# Altium PCB Pannel3.5x2 Ver0.2.PcbDoc (part 1 of 4)
Units mil, origin at the board's own origin, x right, y up, seen from the top; angles counter-clockwise.
Board outline 4133.86 x 2283.46 mil, 4 copper layers (SIGNAL, GROUND, PWR, SIGNAL (Bottom)), stack 61.627 mil thick; 222 components, 165 nets, 808 pads, 673 vias.
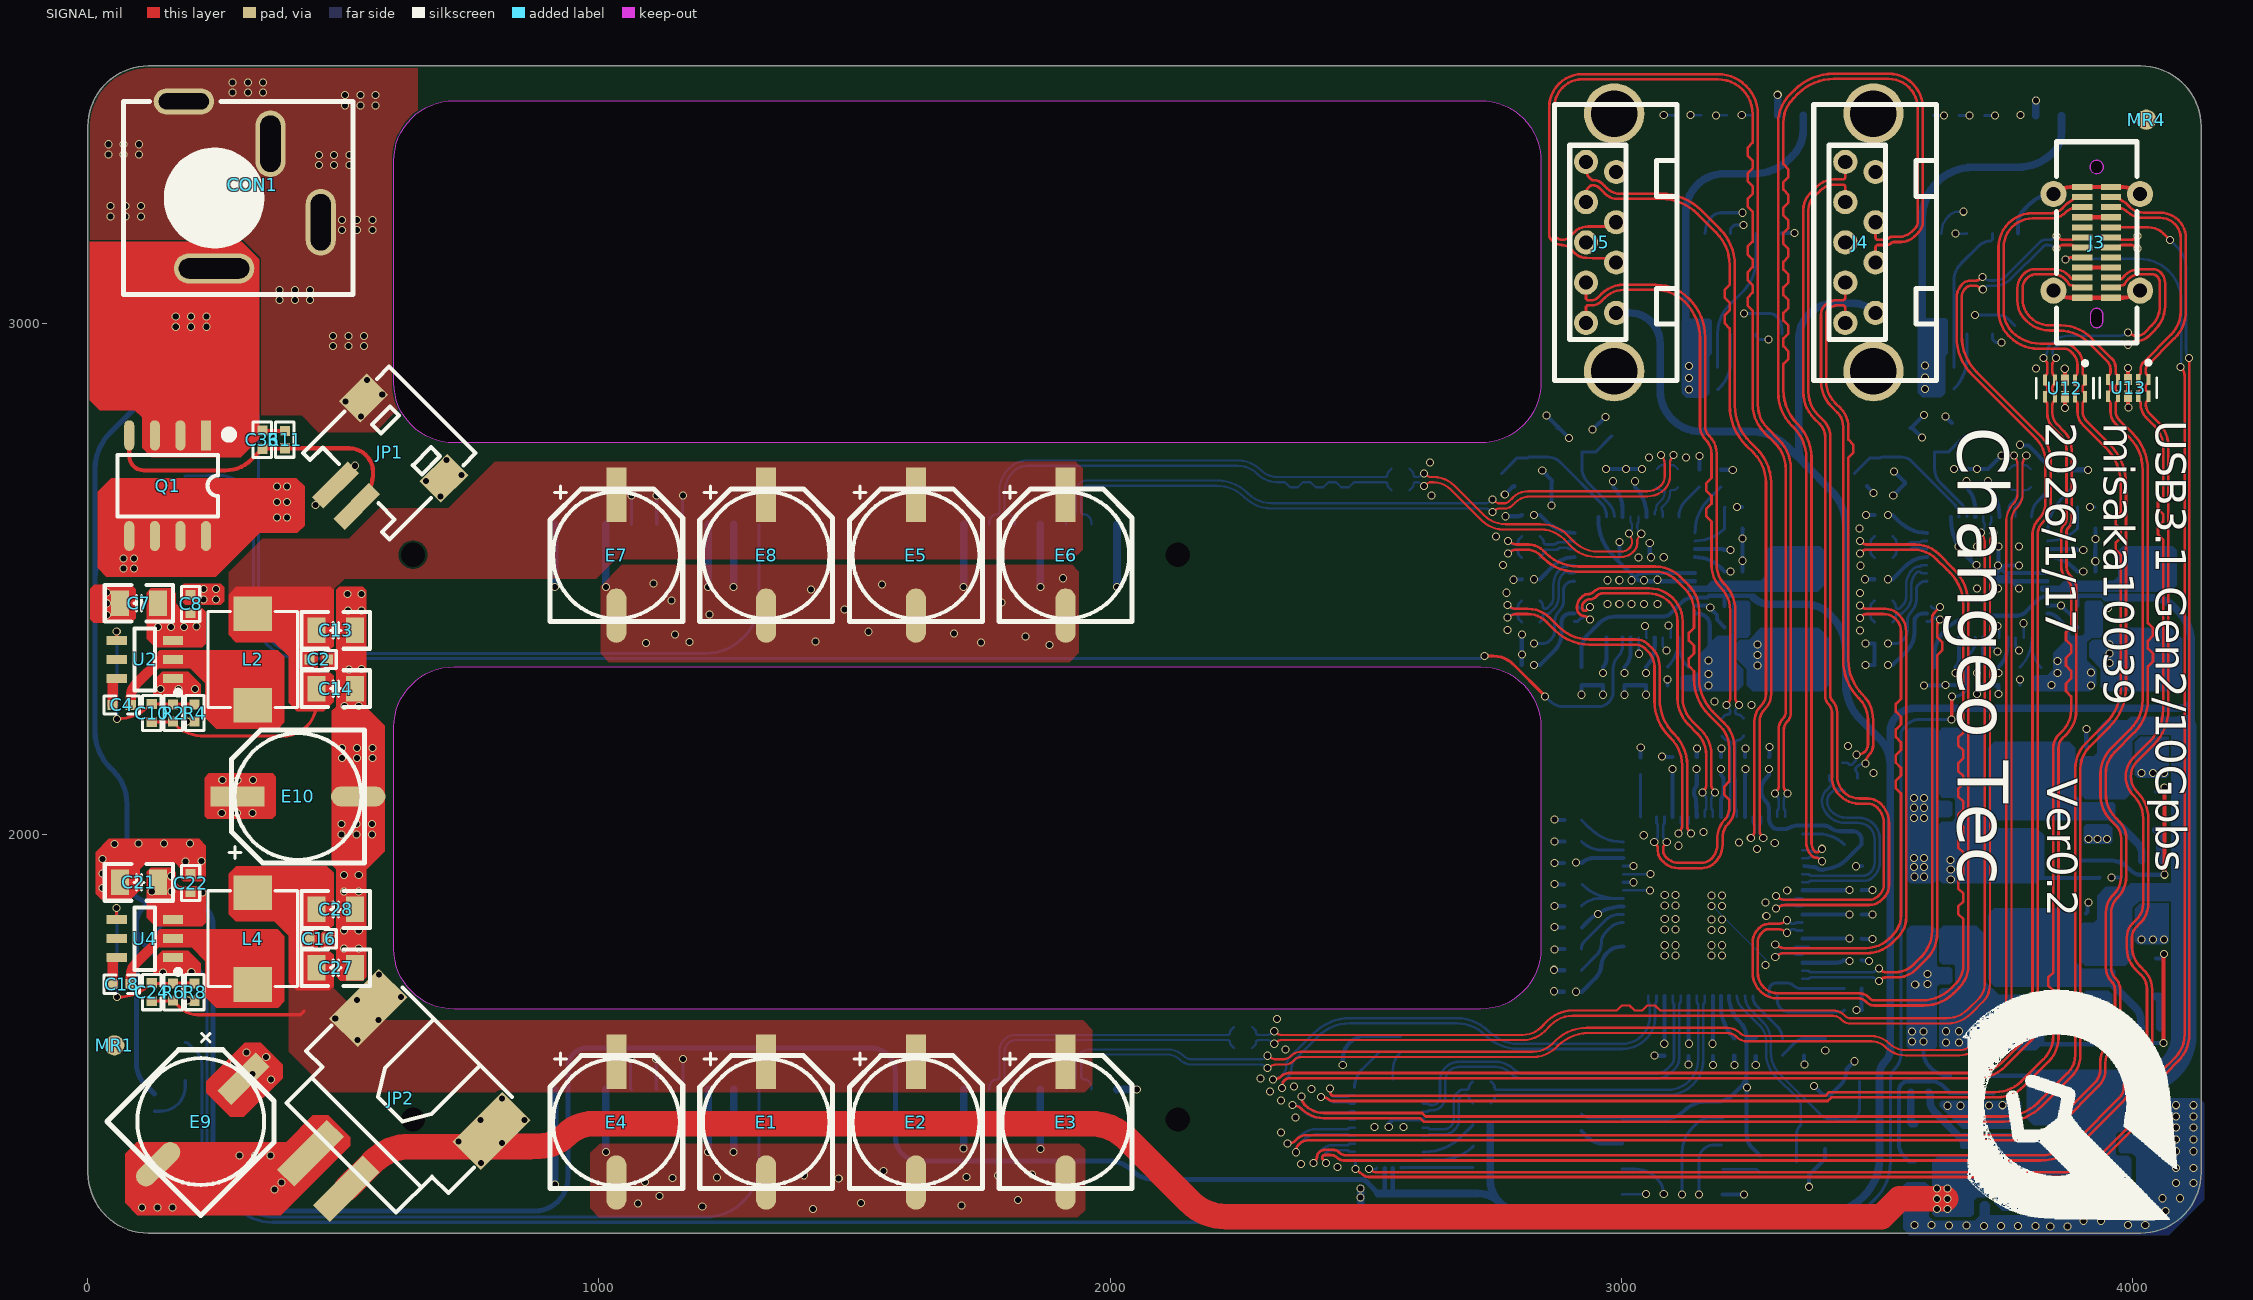
[diagram p0: SIGNAL view]
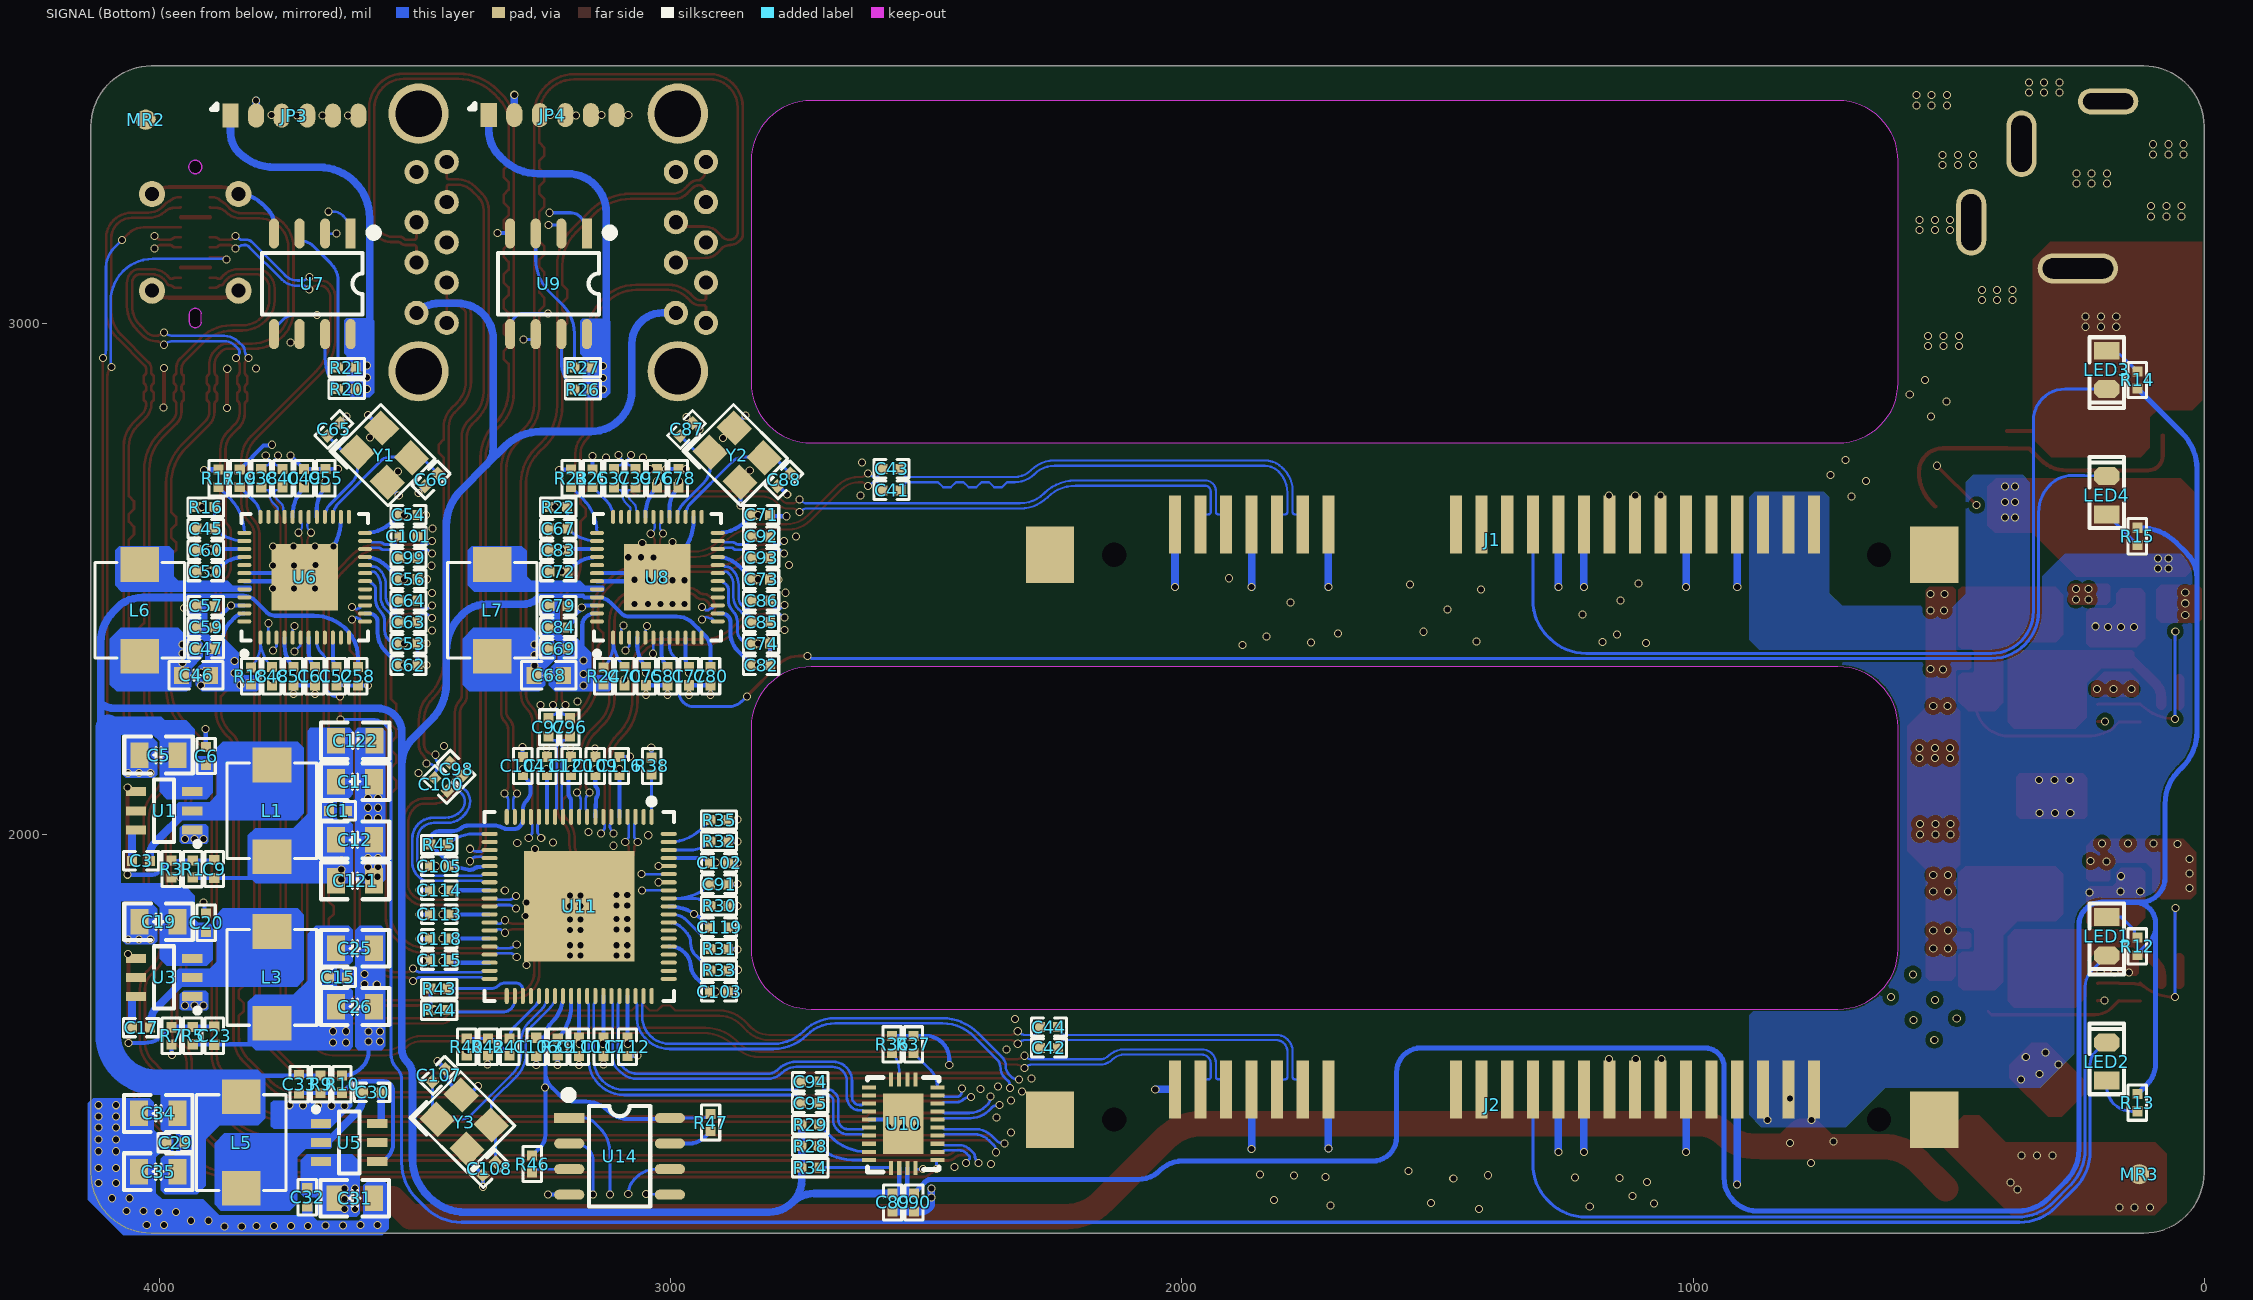
[diagram p1: SIGNAL (Bottom) view, seen from below]
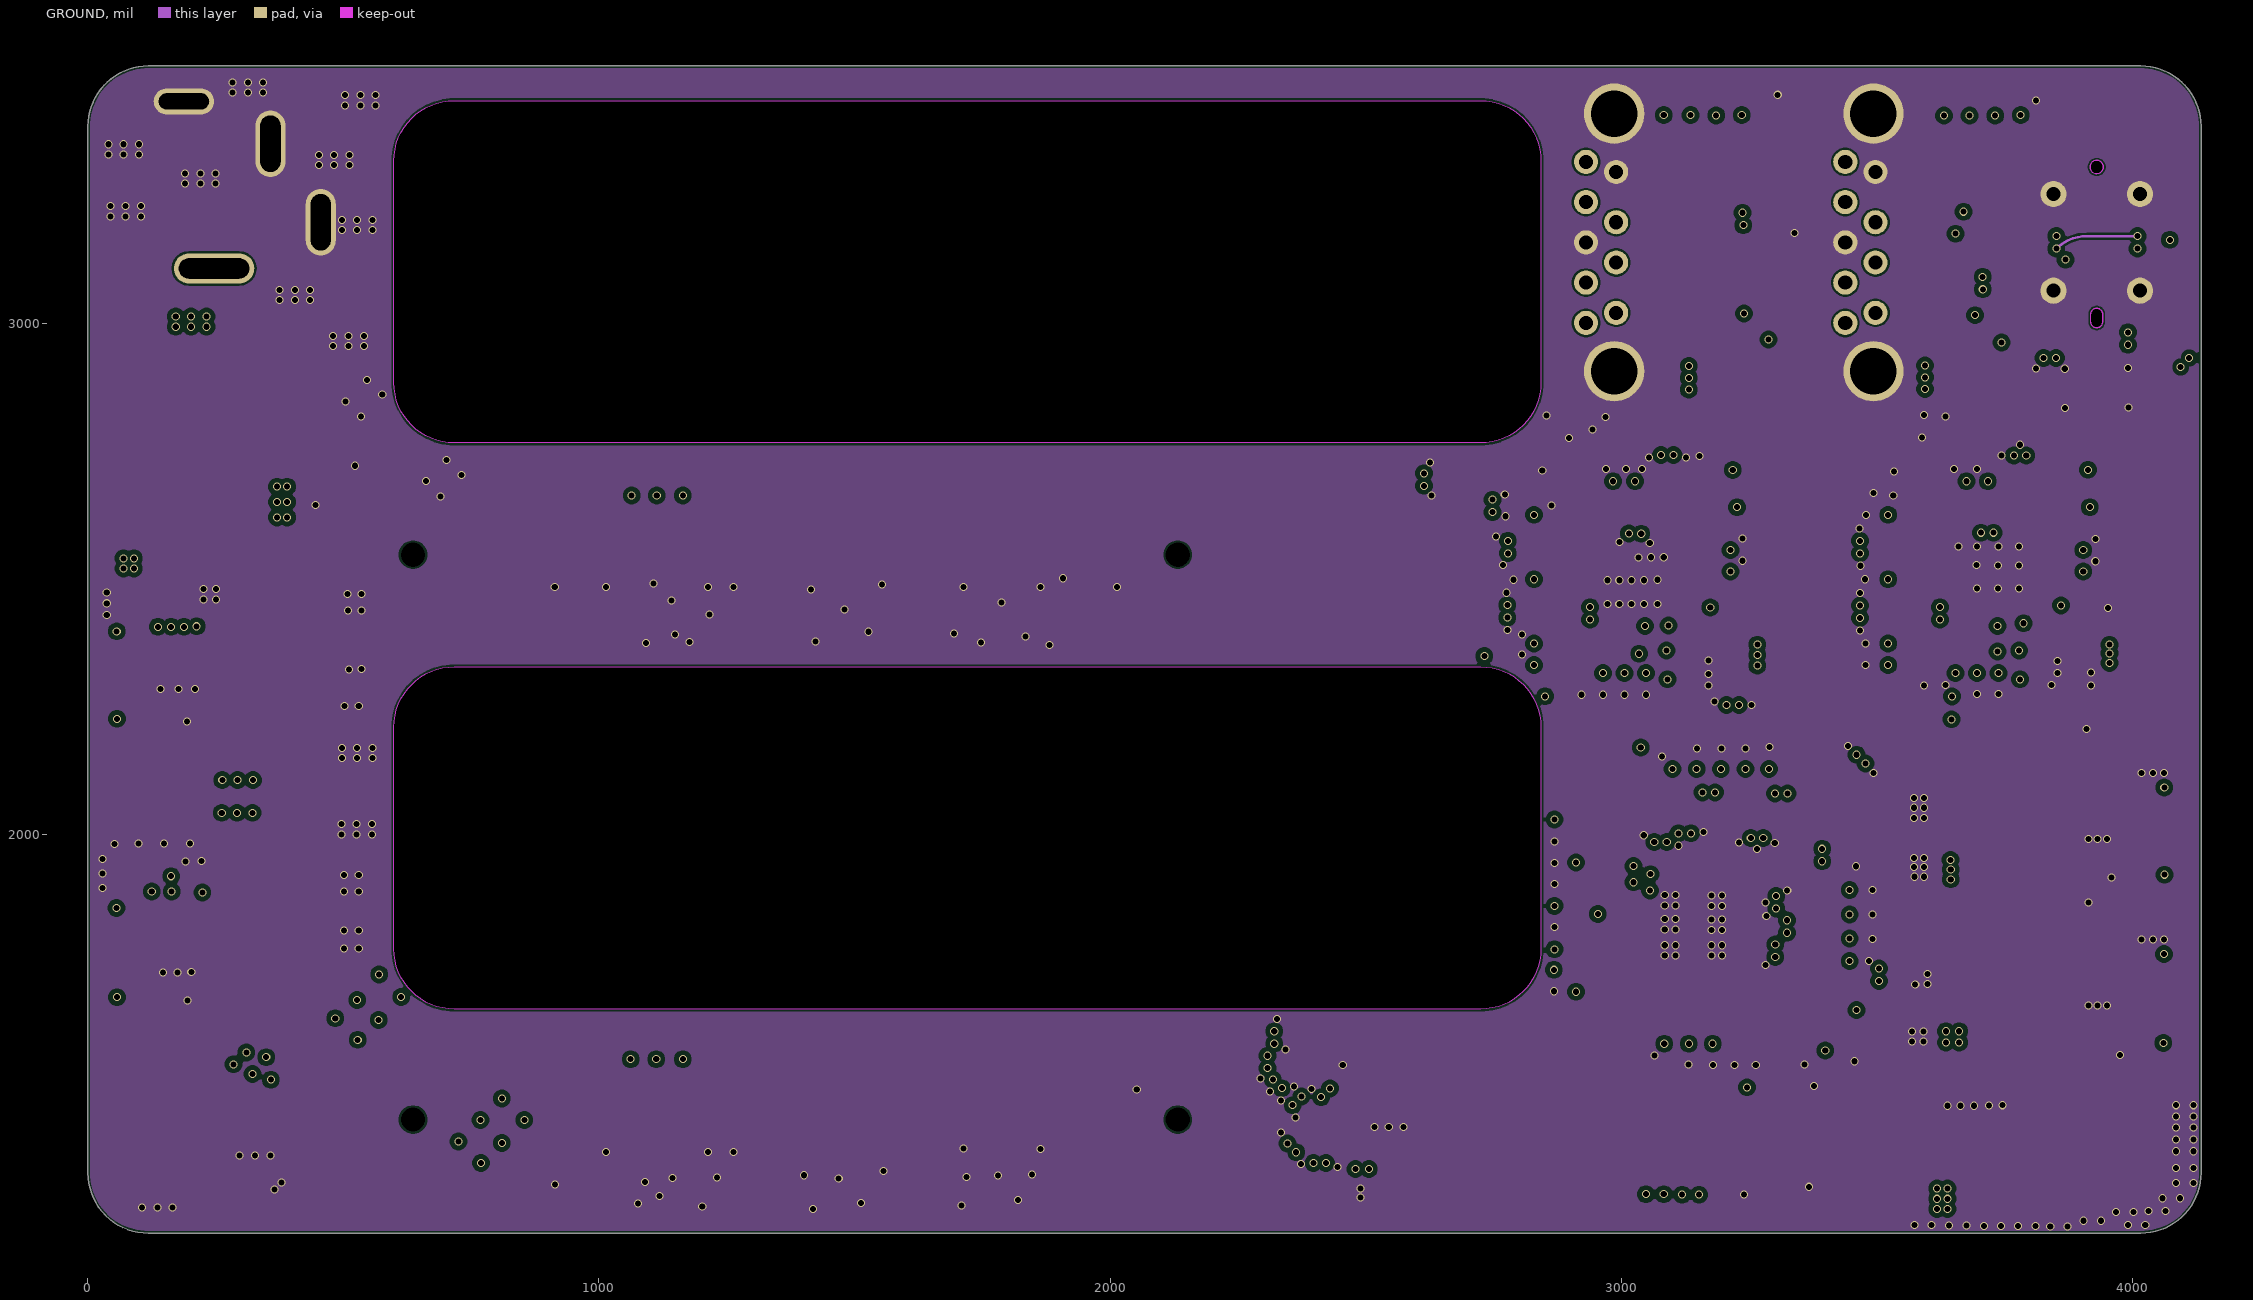
[diagram p2: GROUND]
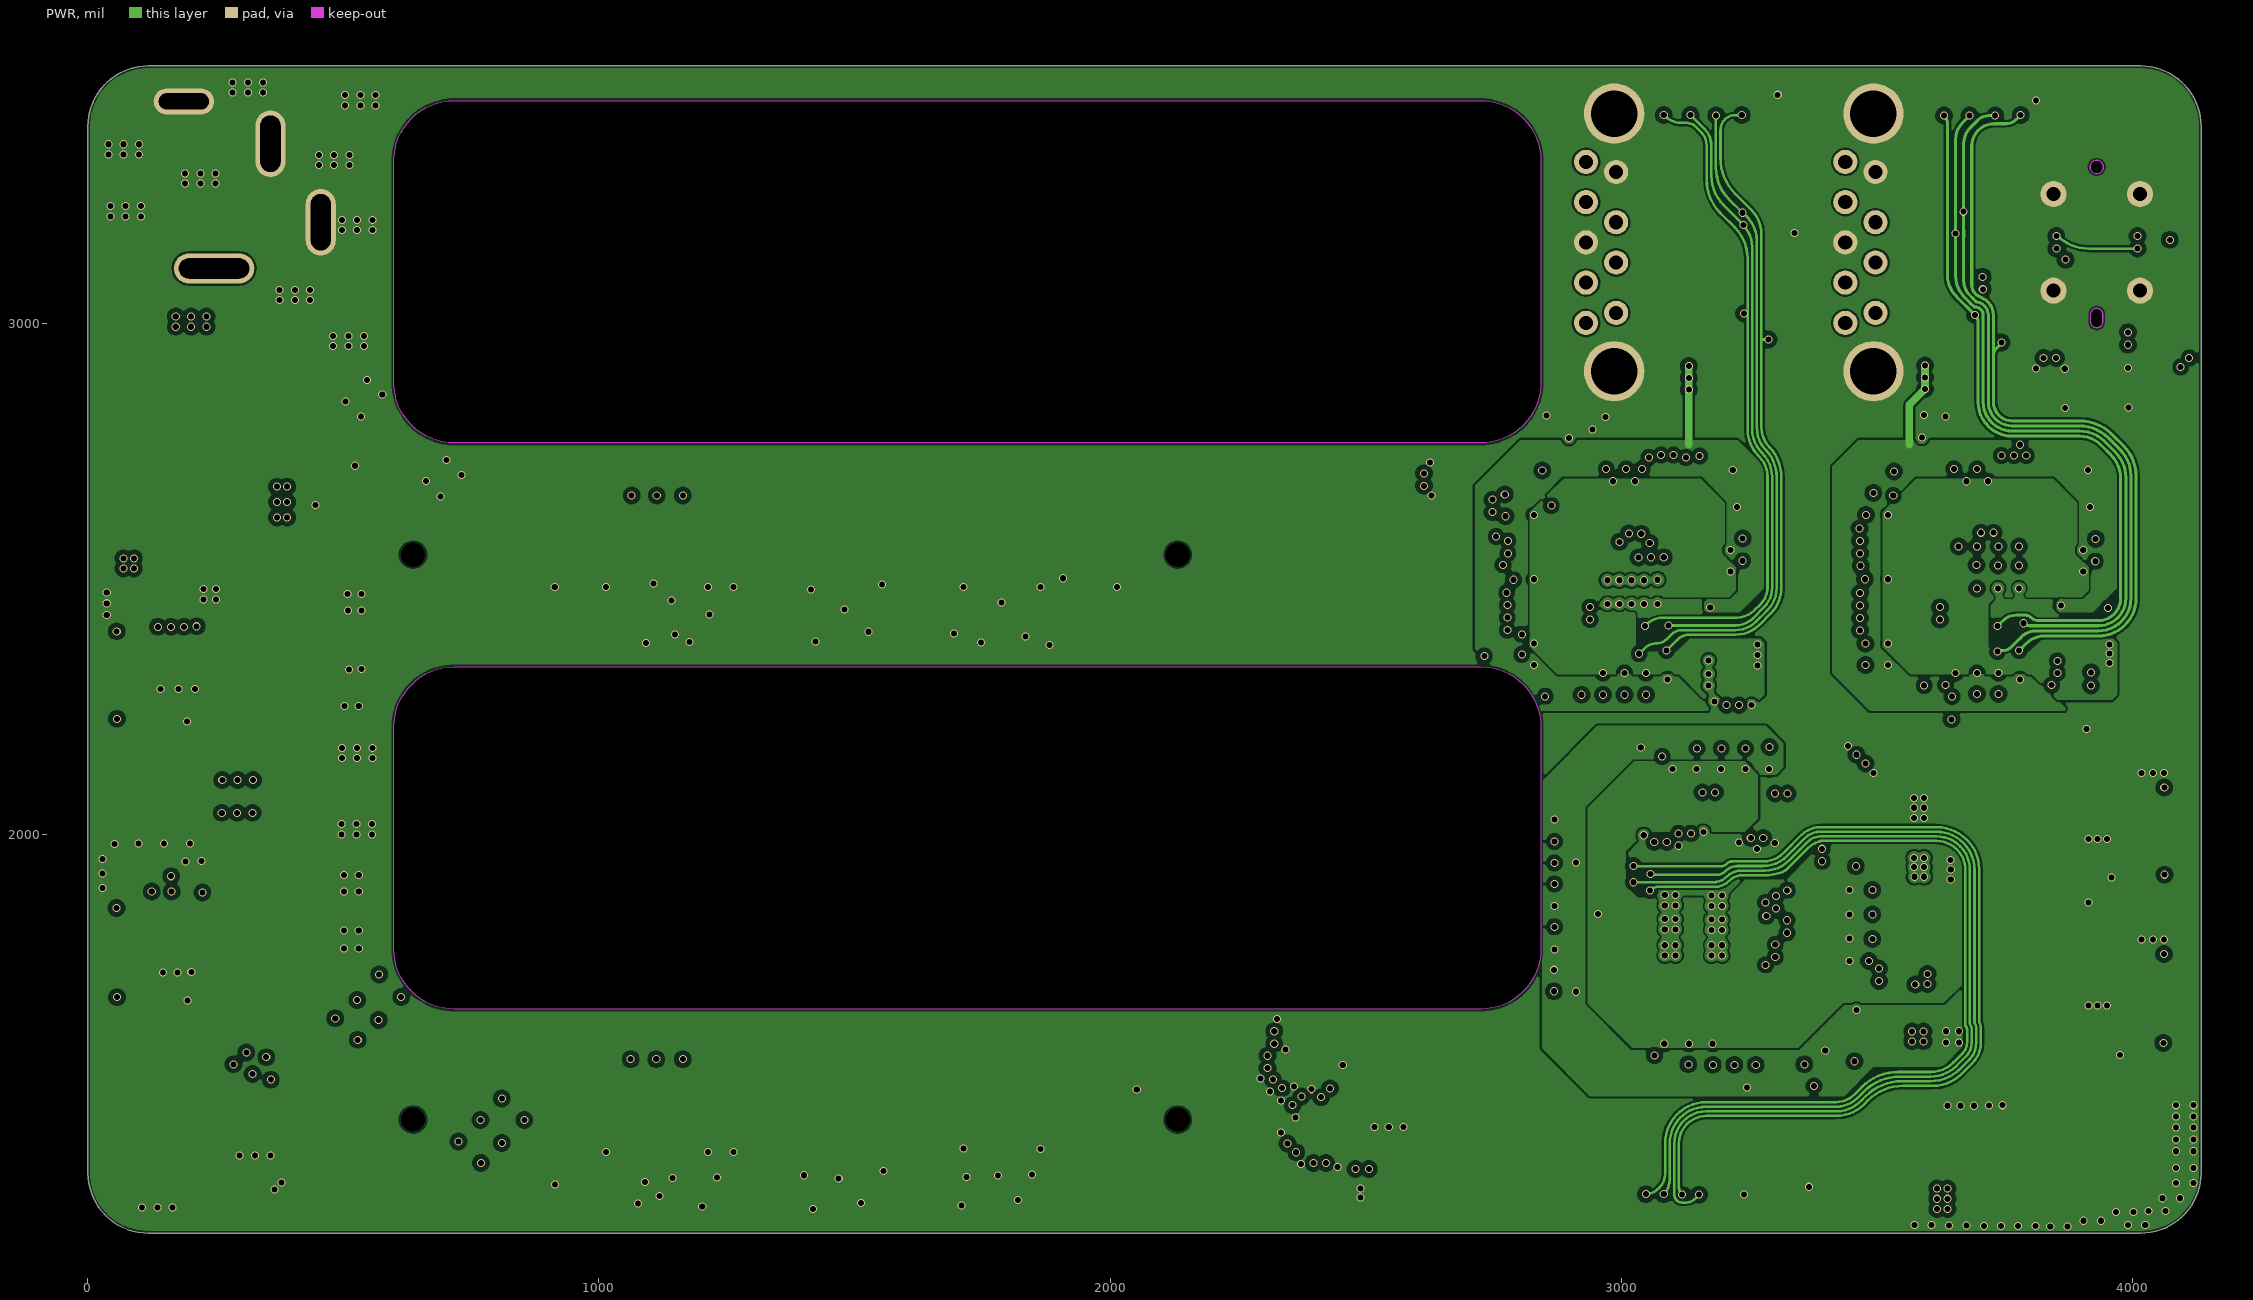
[diagram p3: PWR]
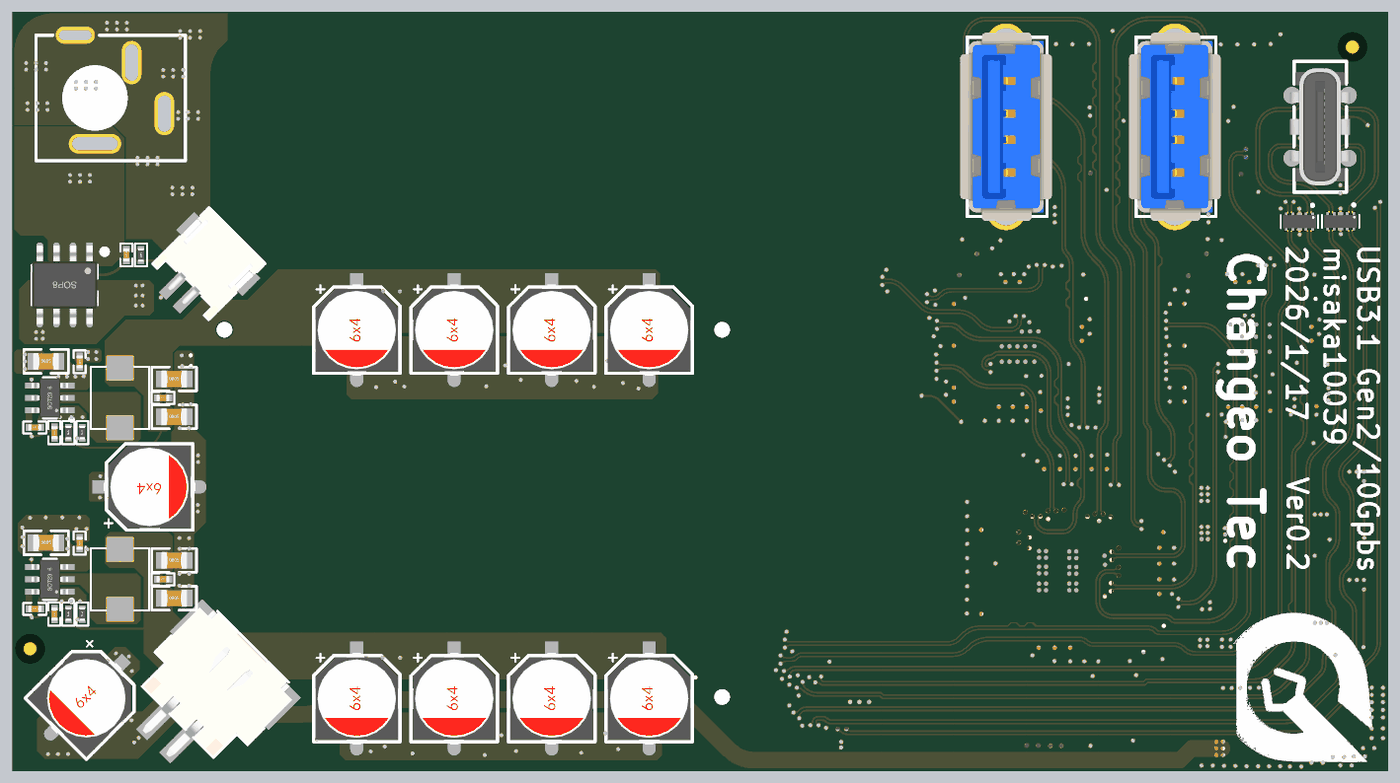
[diagram p7: 3D render of the assembled board from above, using the file's embedded part models]
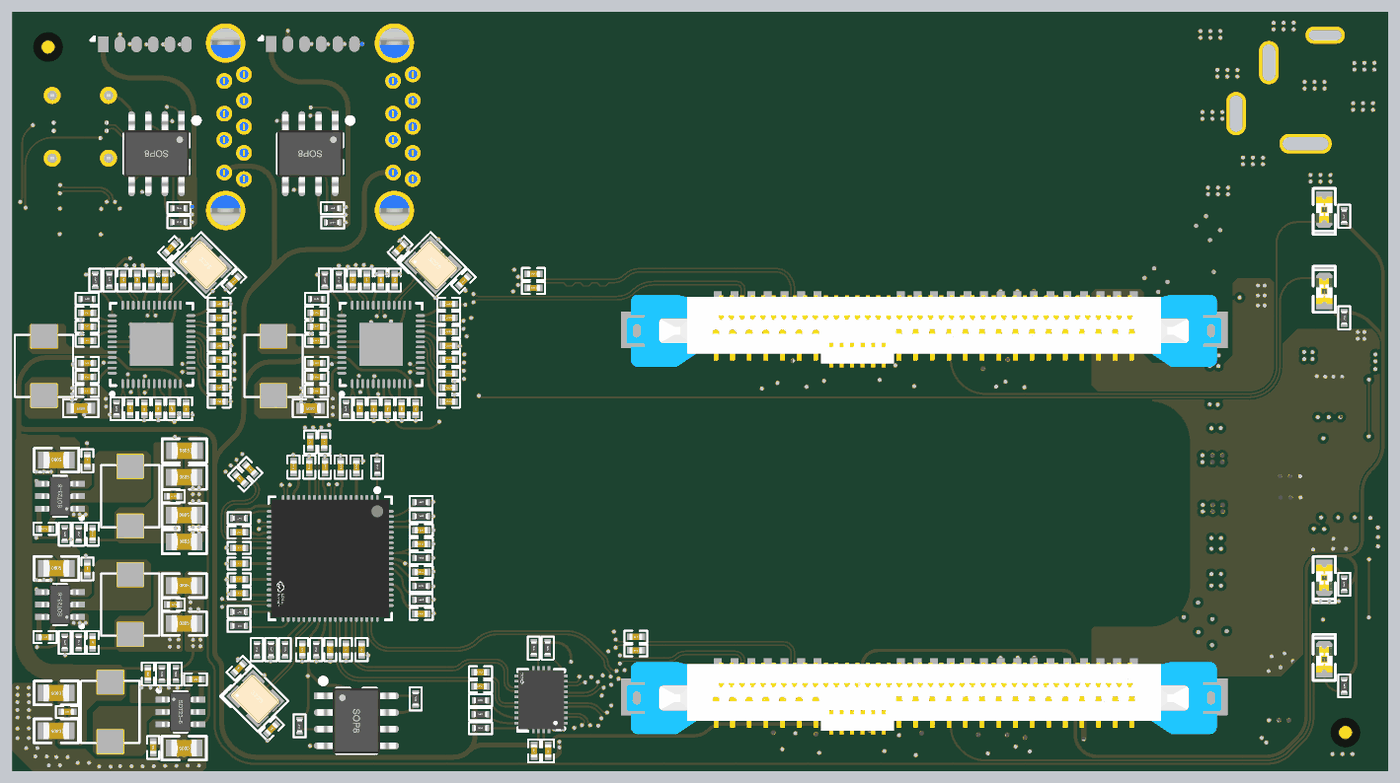
[diagram p8: 3D render of the assembled board from below, using the file's embedded part models]

## Layer stack, top to bottom
Top Solder: solder mask 0.3937, Solder Resist, Dk 3.5
SIGNAL: signal copper 1.4
Dielectric 2: prepreg 3.9134, PP-006, Dk 4.1
GROUND: signal copper 0.5984
Dielectric 1: dielectric 49.8031, FR-4, Dk 4.8
PWR: signal copper 0.5984
Dielectric 3: prepreg 3.9134, PP-006, Dk 4.1
SIGNAL (Bottom): signal copper 1.4
Bottom Solder: solder mask 0.3937, Solder Resist, Dk 3.5

## Board outline
118.36,1219.68 cw(c118.4,1337.84) 0.25,1337.79 0.25,3385.04 cw(c118.34,3385.06) 118.36,3503.15 4016,3503.15 cw(c4016.09,3385.13) 4134.11,3385.04 4134.11,1337.8 cw(c4016.02,1337.78) 4016,1219.69
cut-out: 716.79,2765.63 cw(c716.83,2883.78) 598.68,2883.74 598.68,3317.24 cw(c716.83,3317.2) 716.79,3435.35 2724.66,3435.35 cw(c2724.68,3317.27) 2842.77,3317.24 2842.77,2883.74 cw(c2724.68,2883.72) 2724.66,2765.63
cut-out: 716.79,1657.95 cw(c716.83,1776.11) 598.68,1776.06 598.68,2209.57 cw(c716.83,2209.52) 716.79,2327.68 2724.66,2327.68 cw(c2724.68,2209.59) 2842.77,2209.57 2842.77,1776.06 cw(c2724.68,1776.04) 2724.66,1657.95

## Design rules (kind name [scope] priority, off if disabled: settings)
BoardOutlineClearance [All] p1: gap=4 ignorepadtopadclearanceinfootprint=FALSE
Clearance [All] p1: gap=4 ignorepadtopadclearanceinfootprint=FALSE except(0: Arc-Text Arc-Hole Track-Text Track-Hole SMDPad-Text SMDPad-Hole THPad-Text THPad-Hole Via-Text Via-Hole Fill-Text Fill-Hole Poly-Text Poly-Hole Region-Text Region-Hole Text-Text Text-Hole; 8.66: Via-Via; 9.06: Via-Fill Via-Poly Via-Region)
ComponentClearance [All] p1: gap=0 collisioncheckmode=3 verticalgap=0 showdistances=FALSE
DiffPairsRouting "Schematic Differential Pairs Routing_1" [InNetClass('SATA')] p1: maxlimit=6 minlimit=6 mostfreqgap=6 toplayer_minwidth=4.29 toplayer_maxwidth=4.29 toplayer_prefwidth=4.29 midlayer1_minwidth=4.29 midlayer1_maxwidth=4.29 midlayer1_prefwidth=4.29 midlayer2_minwidth=4.29 midlayer2_maxwidth=4.29 midlayer2_prefwidth=4.29 bottomlayer_minwidth=4.29 bottomlayer_maxwidth=4.29 bottomlayer_prefwidth=4.29 maxuncoupledlength=500
DiffPairsRouting "Schematic Differential Pairs Routing" [InNetClass('USB')] p2: maxlimit=5 minlimit=5 mostfreqgap=5 toplayer_minwidth=5.1 toplayer_maxwidth=5.1 toplayer_prefwidth=5.1 midlayer1_minwidth=5.1 midlayer1_maxwidth=5.1 midlayer1_prefwidth=5.1 midlayer2_minwidth=5.1 midlayer2_maxwidth=5.1 midlayer2_prefwidth=5.1 bottomlayer_minwidth=5.1 bottomlayer_maxwidth=5.1 bottomlayer_prefwidth=5.1 maxuncoupledlength=500
DiffPairsRouting [All] p3: maxlimit=10 minlimit=10 mostfreqgap=10 toplayer_minwidth=15 toplayer_maxwidth=15 toplayer_prefwidth=15 midlayer1_minwidth=15 midlayer1_maxwidth=15 midlayer1_prefwidth=15 midlayer2_minwidth=15 midlayer2_maxwidth=15 midlayer2_prefwidth=15 bottomlayer_minwidth=15 bottomlayer_maxwidth=15 bottomlayer_prefwidth=15 maxuncoupledlength=500
MinimumSolderMaskSliver [All] p1: minsoldermaskwidth=0
NetAntennae [All] p1 off: netantennaetolerance=3.94
PlaneClearance [All] p1: clearance=8
PlaneConnect [All] p1: planeconnectstyle=Direct reliefexpansion=20 reliefentries=4 reliefconductorwidth=10 reliefairgap=10
PolygonConnect [All] p1: connectstyle=Direct reliefconductorwidth=10 reliefentries=4 polygonreliefangle="90 Angle" airgapwidth=10
RoutingVias "Schematic Routing Via Style_58" [InNetClass('USB')] p1: holewidth=11.81 width=15.75 viastyle="Through Hole" minholewidth=7.87 minwidth=11.81 maxholewidth=28 maxwidth=39.37
RoutingVias "Schematic Routing Via Style_1" [InNetClass('SATA')] p2: holewidth=11.81 width=15.75 viastyle="Through Hole" minholewidth=7.87 minwidth=11.81 maxholewidth=28 maxwidth=50
RoutingVias [All] p3: holewidth=11.81 width=15.75 viastyle="Through Hole" minholewidth=11.81 minwidth=15.75 maxholewidth=19.68 maxwidth=23.62
SilkToSolderMaskClearance [IsPad] p1: minsilkscreentomaskgap=0 clearancetoexposedcopper=TRUE
SolderMaskExpansion 过孔盖油 [isvia] p1: expansion=4 istentingtop=TRUE
Width [All] p1: maxlimit=100 minlimit=2 preferedwidth=6
23 further rules are at their usual default settings.

## Classes and differential pairs
net class USB: cap_SSRX1_N cap_SSRX1_P cap_SSRX4_N cap_SSRX4_P cap_SSTX1_N cap_SSTX1_P cap_SSTX2_N cap_SSTX2_P cap_SSTX3_N cap_SSTX3_P cap_SSTX4_N cap_SSTX4_P cap_SSTX_N cap_SSTX_P HSD1_N HSD1_P HSD2_N HSD2_P HSD3_N HSD3_P HSD4_N HSD4_P IN_CC1 IN_CC2 IN_SSRX1_N IN_SSRX1_P IN_SSRX2_N IN_SSRX2_P IN_SSTX1_N IN_SSTX1_P IN_SSTX2_N IN_SSTX2_P SSRX1_N SSRX1_P SSRX2_N SSRX2_P SSRX3_N SSRX3_P SSRX4_N SSRX4_P SSRX_N SSRX_P SSTX1_N SSTX1_P SSTX2_N SSTX2_P SSTX3_N SSTX3_P SSTX4_N SSTX4_P SSTX_N SSTX_P USBD_N USBD_P
net class SATA: cap_RX1_N cap_RX1_P cap_RX2_N cap_RX2_P cap_TX1_N cap_TX1_P cap_TX2_N cap_TX2_P RX1_N RX1_P RX2_N RX2_P TX1_N TX1_P TX2_N TX2_P
net class PWR: GND VBUS VCC1.05V-VL822 VCC1V2-B VCC1V2-C VCC3.3V-VL822 VCC5V-A VCC5V-B VCC12V VIN
component class vl822: C89 C90 C91 C92 C93 C94 C95 C96 C97 C98 C99 C100 C101 C102 C103 C104 C105 C106 C107 C108 C109 C110 C111 C112 C113 C114 C115 C116 C117 C118 C119 C120 R28 R29 R30 R31 R32 R33 R34 R35 R36 R37 R38 R39 R40 R41 R42 R43 R44 R45 R46 R47 U10 U11 U12 U13 U14 Y3
component class pwr: C1 C2 C3 C4 C5 C6 C7 C8 C9 C10 C11 C12 C13 C14 C15 C16 C17 C18 C19 C20 C21 C22 C23 C24 C25 C26 C27 C28 C29 C30 C31 C32 C33 C34 C35 C36 C121 C122 E1 E2 E3 E4 E5 E6 E7 E8 E9 E10 JP1 JP2 L1 L2 L3 L4 L5 MR1 MR2 MR3 MR4 Q1 R1 R2 R3 R4 R5 R6 R7 R8 R9 R10 R11 U1 U2 U3 U4 U5
component class jmb575: C45 C46 C47 C48 C49 C50 C51 C52 C53 C54 C55 C56 C57 C58 C59 C60 C61 C62 C63 C64 C65 C66 C67 C68 C69 C70 C71 C72 C73 C74 C75 C76 C77 C78 C79 C80 C81 C82 C83 C84 C85 C86 C87 C88 JP3 JP4 L6 L7 R16 R17 R18 R19 R20 R21 R22 R23 R24 R25 R26 R27 U6 U7 U8 U9 Y1 Y2
component class connector: C37 C38 C39 C40 C41 C42 C43 C44 CON1 J1 J2 J3 J4 J5 LED1 LED2 LED3 LED4 R12 R13 R14 R15
differential pair cap_TX1: +cap_TX1_P -cap_TX1_N
differential pair cap_RX1: +cap_RX1_P -cap_RX1_N
differential pair TX1: +TX1_P -TX1_N
differential pair RX1: +RX1_P -RX1_N
differential pair cap_SSRX1: +cap_SSRX1_P -cap_SSRX1_N
differential pair SSTX1: +SSTX1_P -SSTX1_N
differential pair cap_TX2: +cap_TX2_P -cap_TX2_N
differential pair cap_RX2: +cap_RX2_P -cap_RX2_N
differential pair USBD: +USBD_P -USBD_N
differential pair TX2: +TX2_P -TX2_N
differential pair SSTX: +SSTX_P -SSTX_N
differential pair SSTX4: +SSTX4_P -SSTX4_N
differential pair SSTX3: +SSTX3_P -SSTX3_N
differential pair SSTX2: +SSTX2_P -SSTX2_N
differential pair SSRX: +SSRX_P -SSRX_N
differential pair SSRX4: +SSRX4_P -SSRX4_N
differential pair SSRX3: +SSRX3_P -SSRX3_N
differential pair SSRX2: +SSRX2_P -SSRX2_N
differential pair SSRX1: +SSRX1_P -SSRX1_N
differential pair RX2: +RX2_P -RX2_N
differential pair IN_SSTX2: +IN_SSTX2_P -IN_SSTX2_N
differential pair IN_SSTX1: +IN_SSTX1_P -IN_SSTX1_N
differential pair IN_SSRX2: +IN_SSRX2_P -IN_SSRX2_N
differential pair IN_SSRX1: +IN_SSRX1_P -IN_SSRX1_N
differential pair HSD4: +HSD4_P -HSD4_N
differential pair HSD3: +HSD3_P -HSD3_N
differential pair HSD2: +HSD2_P -HSD2_N
differential pair HSD1: +HSD1_P -HSD1_N
differential pair cap_SSTX: +cap_SSTX_P -cap_SSTX_N
differential pair cap_SSTX4: +cap_SSTX4_P -cap_SSTX4_N
differential pair cap_SSTX3: +cap_SSTX3_P -cap_SSTX3_N
differential pair cap_SSTX2: +cap_SSTX2_P -cap_SSTX2_N
differential pair cap_SSTX1: +cap_SSTX1_P -cap_SSTX1_N
differential pair cap_SSRX3: +cap_SSRX4_P -cap_SSRX4_N
